# Altium PCB netv2mvp-dvt1a.PCBDOC (part 4 of 6)
Units mm, origin at the board's own origin, x right, y up, seen from the top; angles counter-clockwise.
Board outline 90 x 100 mm, 6 copper layers (L1, L2, L3, L4, L5, L6), stack 1.542 mm thick; 329 components, 277 nets, 2092 pads, 848 vias.
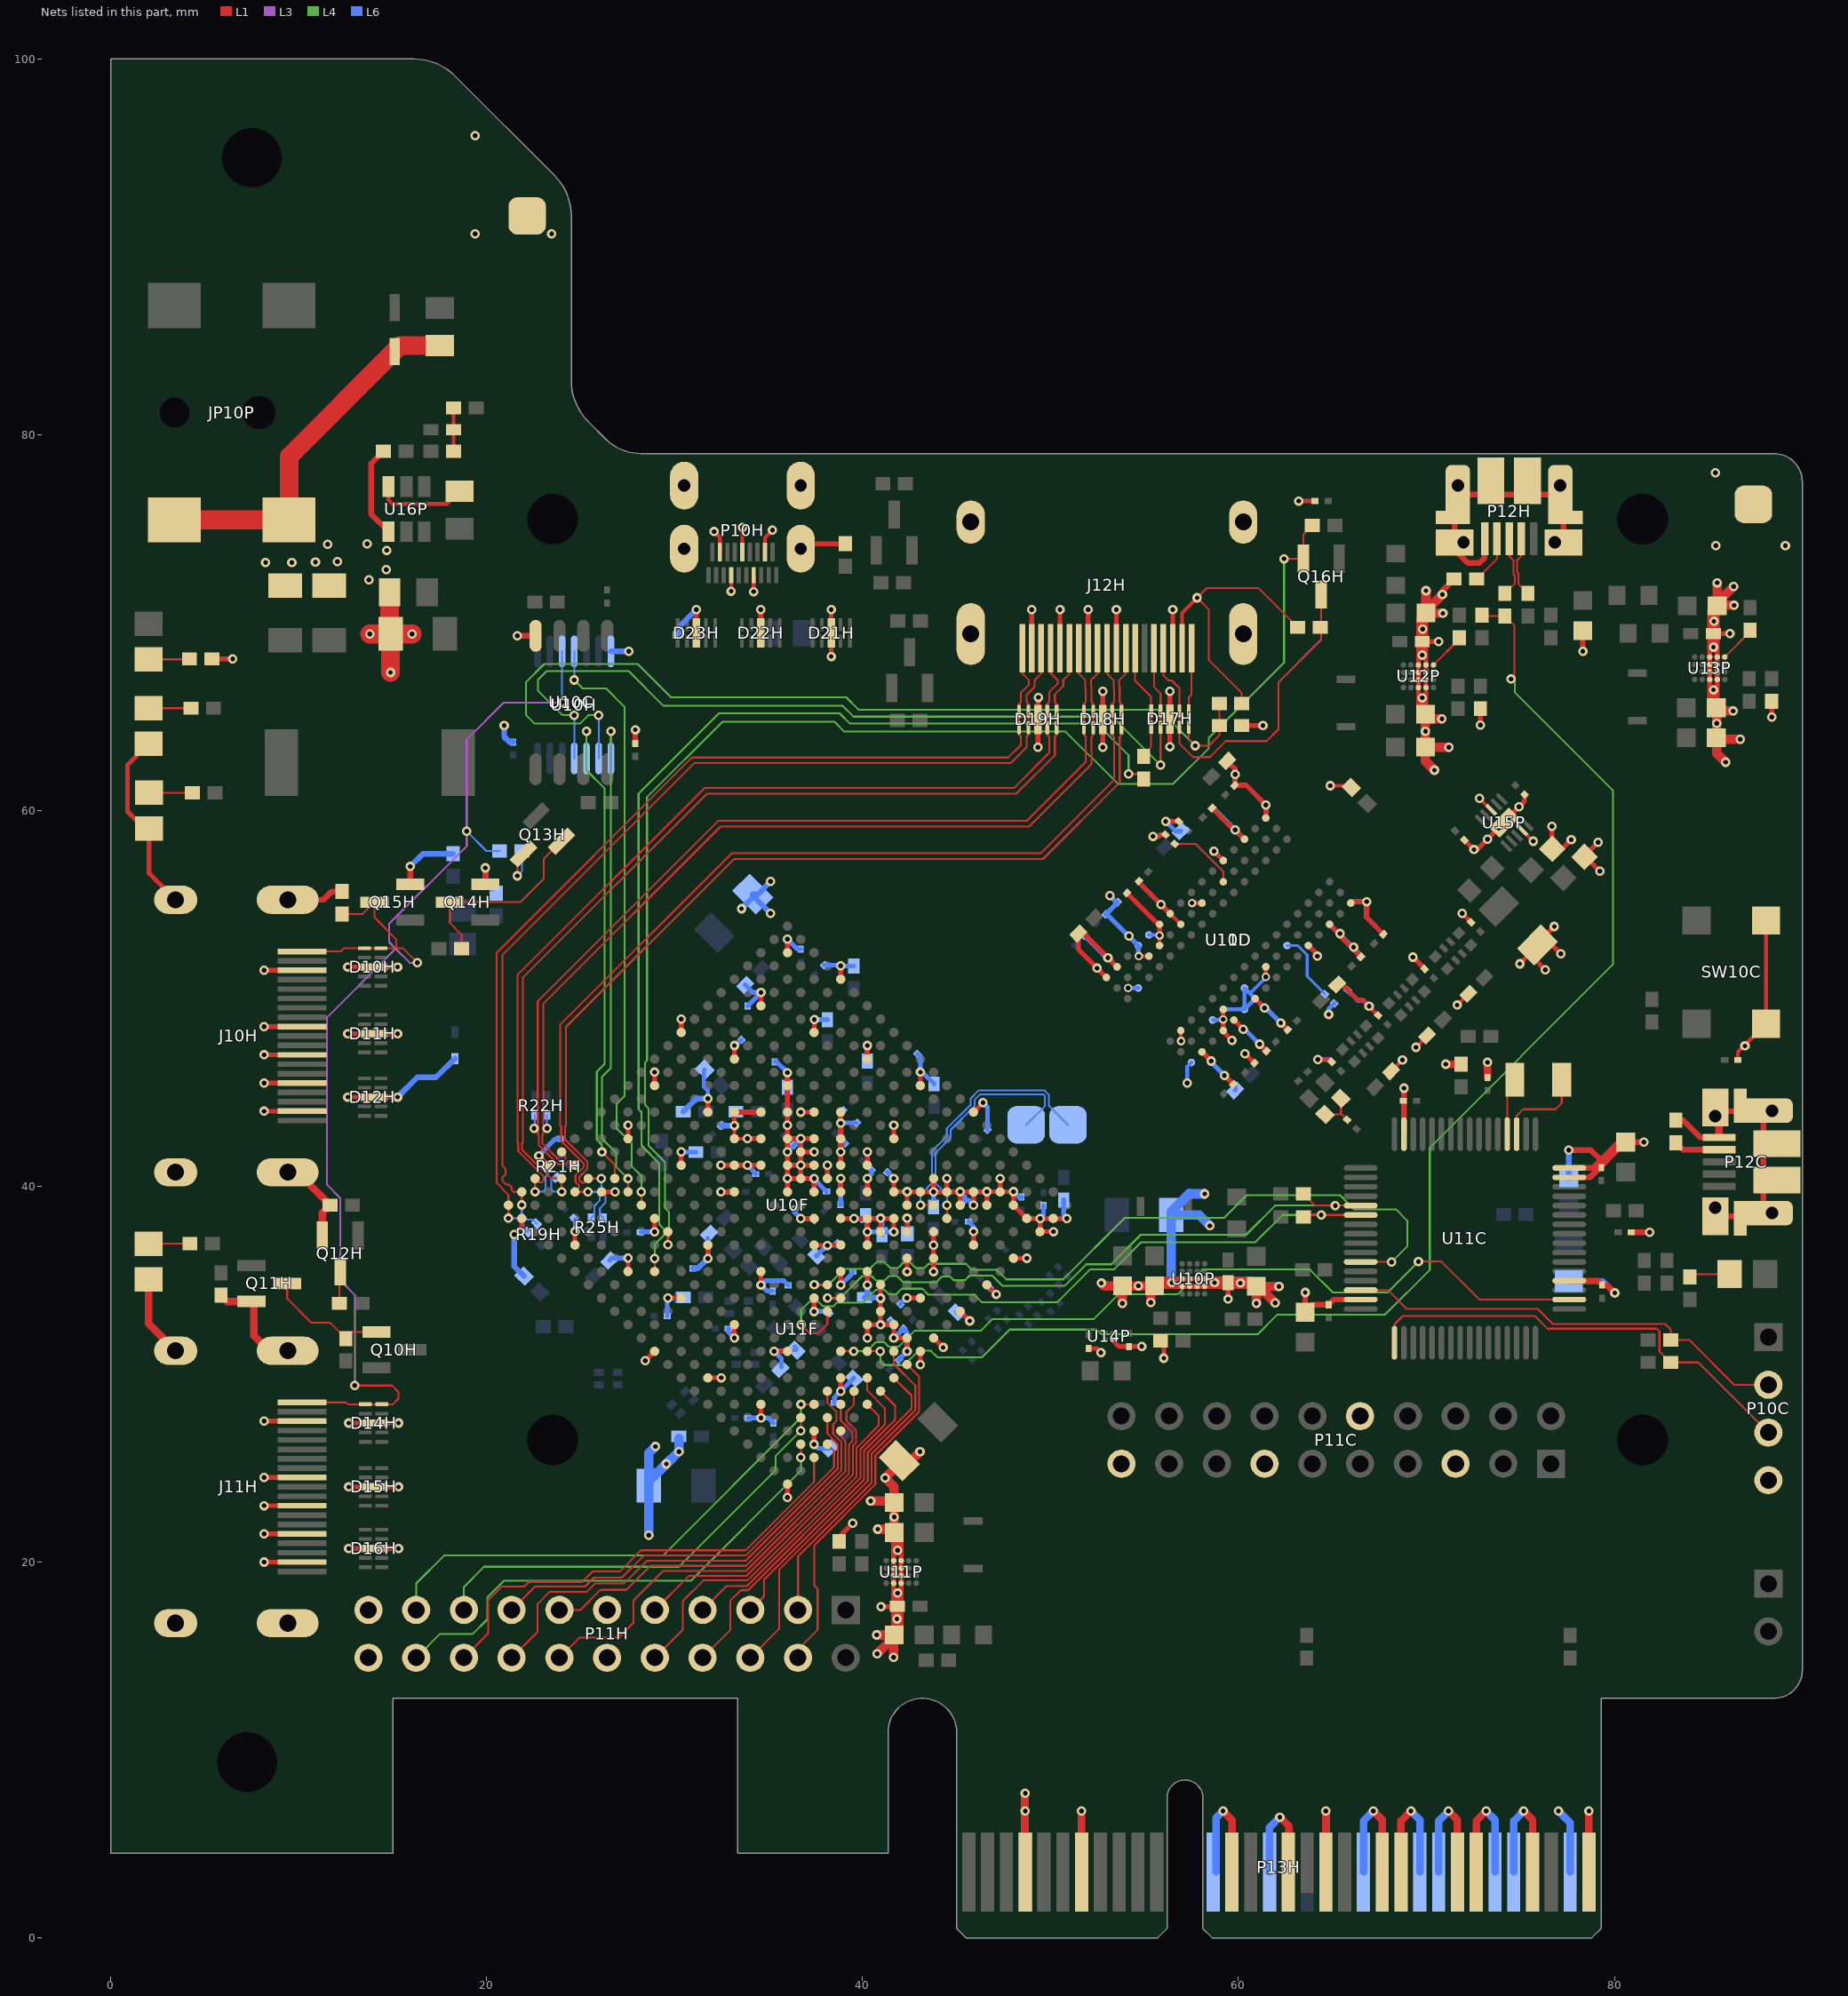
[diagram p8: the nets of this part, all layers, seen from the top]

## Via types
v1: diameter 0.5, hole 0.25, L1 to L6, tented both sides, 789 vias
v2: diameter 0.45, hole 0.25, L1 to L6, tented both sides, 57 vias
v3: diameter 0.5, hole 0.25, L1 to L6, tented top, 2 vias

## Nets (pads, with @x,y where several pads share a name; then routed paths per layer and width w, separated by ;. In a path a pad name is that pad's centre, name@x,y a point inside that pad or via, vN(x,y) a via of type N, cw(c..) or ccw(c..) an arc to the next point about the centre after c; other vN are vias at no path point) (continued)
FUSB_P: R24H.2 R30H.1 U10F.C14 | length 75.6
  L1 w0.1: U10F.C14@40.243,31.222 v1(40.939,31.222) ; R24H.2@73,70.35 R30H.1@74.175,70.35 74.687,69.838 74.687,67.187 v1(74.5,67)
  L4 w0.1: v1(40.939,31.222) 40.939,30.656 41.11,30.485 42.201,30.485 42.966,31.25 43.633,31.25 43.983,30.9 46.35,30.9 47.825,32.375 52.458,32.375 52.708,32.125 61.025,32.125 62.075,33.175 67.8,33.175 70.175,35.55 70.175,42.05 79.925,51.8 79.925,61.075 74.7,66.3 v1@74.7,67
FUSBD_N: P12H.2 R28H.2 | length 3.3
  L1 w0.1: P12H.2@75.05,74.475 75.05,73.55 74.825,73.325 74.825,72.675 74.9,72.6 74.9,72.05 R28H.2@75.4,71.55
FUSBD_P: P12H.3 R30H.2 | length 3.3
  L1 w0.1: R30H.2@74.175,71.55 74.7,72.075 74.7,72.517 74.625,72.592 74.625,73.325 74.4,73.55 P12H.3@74.4,74.475
GND: C10C.2 C10D.1 C10F.2 C10H.2 C10P.2 C11C.2 C11D.2 C11F.2 C11H.2 C11P.2 C12C.2 C12D.2 C12F.2 C12H.2 C12P.2 C13C.2 C13D.2 C13F.2 C13P.2 C14D.2 C14F.2 C14P.2 C15D.2 C15F.2 C15P.2 C16C.2 C16D.2 C16F.2 C16P.2 C17C.2 C17D.2 C17F.2 C17P.2 C18C.2 C18D.2 C18F.2 C18P.2 C19C.2 C19D.2 C19F.2 C19P.2 C20C.2 C20D.2 C20P.2 C21C.2 C21D.2 C21P.2 C22C.2 C22D.2 C22P.2 C23C.2 C23D.2 C23P.2 C24D.2 C24P.2 C25D.2 C25P.2 C26D.2 C26F.2 C26P.2 C27D.1 C27P.2 C28D.2 C28F.2 C29D.1 C29F.2 C29P.2 C30D.1 C30F.2 C30P.2 C31D.2 C31F.2 C31P.2 C32D.2 C32F.2 C32P.1 C33D.1 C33F.2 C33P.2 C34D.1 C34F.2 C34P.1 C35D.1 C35F.2 C35P.1 C36D.2 C37D.2 C37P.2 C38D.2 C38F.2 C38P.2 C39D.2 C39F.2 C40D.2 C41D.2 C41F.2 C42D.1 C42F.2 C43D.1 C43F.2 C44D.2 C44F.2 C45D.2 C45F.2 C46D.2 C46F.2 C47D.2 C47F.2 C48D.2 C48F.2 C49D.1 C49F.2 C50F.2 C51F.2 C52F.2 C53F.2 C54F.2 C55F.2 C56F.2 C57F.2 C58F.2 C59F.2 C60F.2 C61F.2 C62F.2 C63F.2 C64F.2 C65F.2 C66F.2 C67F.2 C68F.2 C69F.2 C70F.2 C71F.2 C72F.2 C73F.2 C74F.2 C75F.2 C76F.2 C77F.2 C78F.2 C79F.2 C80F.2 C81F.2 C82F.2 C83F.2 C84F.2 C85F.2 C86F.2 C87F.2 C88F.2 C89F.2 D10F.2 D10H.3 D10P.2 D11F.2 D11H.3 D12F.2 D12H.3 D13H.2 D14H.3 D15H.3 D16H.3 D17H.3 D18H.3 D19H.3 D20H.2 D21H.3 D22H.3 D23H.3 J10H.0 J10H.2 J10H.5 J10H.8 J10H.11 J10H.17 J11H.0 J11H.2 J11H.5 J11H.8 J11H.11 J11H.17 J12H.0 J12H.2 J12H.5 J12H.8 J12H.11 J12H.17 JP10P.2 JP10P.3 P10C.4 P10H.0 P10H.4 P10H.7 P10H.10 P10H.13 P10H.16 P11C.5 P11C.10 P11C.13 P11C.19 P11H.11 P11H.12 P11H.21 P11H.22 P12C.0 P12C.5 P12H.0 P12H.5 P13H.A4 P13H.A12 P13H.A15 P13H.A18 P13H.A20 P13H.A23 P13H.A24 P13H.A27 P13H.A28 P13H.A31 P13H.B4 P13H.B7 P13H.B13 P13H.B16 P13H.B18 P13H.B21 P13H.B22 P13H.B25 P13H.B26 P13H.B29 P13H.B32 Q11H.2 Q12H.2 Q14H.2 Q15H.2 R10D.1 R10F.2 R10H.1 R11D.1 R13C.2 R14D.1 R15F.1 R16P.2 R17H.2 R17P.2 R18C.2 R20H.2 R25P.2 R26P.2 R31H.2 R31P.1 R32P.1 R33H.2 R34H.2 R39H.2 R40H.1 SW10C.1 SW10C.2 TP11H.1 TP13H.1 U10C.4 U10D.A9 U10D.B1 U10D.B3 U10D.B9 U10D.D1 U10D.D8 U10D.E1 U10D.E2 U10D.E8 U10D.F9 U10D.G1 U10D.G8 U10D.G9 U10D.J2 U10D.J8 U10D.M1 U10D.M9 U10D.P1 U10D.P9 U10D.T1 U10D.T9 U10F.A2 U10F.A3 U10F.A5 U10F.A7 U10F.A9 U10F.A11 U10F.A12 U10F.A22 U10F.AA2 U10F.AA12 U10F.AA22 U10F.AB9 U10F.AB19 U10F.B3 U10F.B12 U10F.B19 U10F.C3 U10F.C6 U10F.C10 U10F.C12 U10F.C16 U10F.D3 U10F.D4 U10F.D8 U10F.D12 U10F.D13 U10F.E4 U10F.E5 U10F.E7 U10F.E9 U10F.E11 U10F.E20 U10F.F5 U10F.F11 U10F.F17 U10F.G5 U10F.G6 U10F.G7 U10F.G8 U10F.G9 U10F.G10 U10F.G12 U10F.G14 U10F.H1 U10F.H7 U10F.H9 U10F.H11 U10F.H21 U10F.J8 U10F.J10 U10F.J12 U10F.J18 U10F.K5 U10F.K7 U10F.K9 U10F.K11 U10F.K15 U10F.L2 U10F.L8 U10F.L9 U10F.L10 U10F.L22 U10F.M7 U10F.M9 U10F.M10 U10F.M11 U10F.M19 U10F.N6 U10F.N8 U10F.N9 U10F.N10 U10F.N16 U10F.P3 U10F.P7 U10F.P9 U10F.P11 U10F.P13 U10F.R8 U10F.R10 U10F.R12 U10F.R20 U10F.T7 U10F.T9 U10F.T11 U10F.T17 U10F.U4 U10F.U10 U10F.U14 U10F.V1 U10F.V11 U10F.V21 U10F.W8 U10F.W18 U10F.Y5 U10F.Y15 U10H.7 U10P.B1 U10P.B2 U10P.B3 U10P.B4 U10P.C1 U10P.C2 U10P.C3 U10P.C4 U11C.4 U11C.15 U11C.16 U11C.31 U11C.47 U11D.A9 U11D.B1 U11D.B3 U11D.B9 U11D.D1 U11D.D8 U11D.E1 U11D.E2 U11D.E8 U11D.F9 U11D.G1 U11D.G8 U11D.G9 U11D.J2 U11D.J8 U11D.M1 U11D.M9 U11D.P1 U11D.P9 U11D.T1 U11D.T9 U11F.2 U11P.B1 U11P.B2 U11P.B3 U11P.B4 U11P.C1 U11P.C2 U11P.C3 U11P.C4 U12P.B1 U12P.B2 U12P.B3 U12P.B4 U12P.C1 U12P.C2 U12P.C3 U12P.C4 U13P.B1 U13P.B2 U13P.B3 U13P.B4 U13P.C1 U13P.C2 U13P.C3 U13P.C4 U14P.B2 U15P.4 U15P.8 U15P.11 U16P.1 | length 667.7
  L1 w0.18: v1(72.819,60.656) U15P.8@73.325,60.15 ; U15P.4@75.175,58.875 v1(75.681,58.369)
  L1 w0.2: v1(32.1,74.85) 32.4,74.55 P10H.4@32.4,73.75 ; v1(33,71.675) P10H.7@33,72.525 ; v1(33.172,43.235) U10F.T11@33.172,42.536 v1(33.871,42.536) ; P10H.10@33.6,73.75 v1(33.6,75.075) ; v1(34.2,71.65) P10H.13@34.2,72.525 ; P10H.16@34.8,73.75 34.8,74.525 v1(35.2,74.925) ; v2(54.693,52.25) U11D.D8@55.23,52.25 ; U11D.E8@55.796,52.816 v2(55.796,53.353) ; U11D.G9@56.362,54.513 U11D.G8@56.927,53.947 ; U11D.B3@56.927,48.29 v2@56.948,47.731 ; v2(57.522,55.078) U11D.J8@58.059,55.078 ; v2(59.19,48.884) U11D.E2@59.19,49.421 ; v2(61.453,51.147) U11D.J2@61.453,51.684 ; v1(64.225,46.75) C35D.1@64.9,46.75 ; v1(64.878,61.325) R11D.1@65.975,61.325 ; v1(66.951,49.581) C27D.1@67.428,49.103 ; C20D.2@68.124,46.124 v1(68.725,46.725) ; v1(69.45,47.4) 70.03,47.98 C26D.2@70.03,48.022 ; v1(71.634,49.65) C28D.2@72.23,50.247 ; v1(71.9,54.53) C34D.1@72.378,54.053 ; C16C.2@86.575,46.725 86.575,47.15 SW10C.1@88.075,48.65 SW10C.2@88.075,54.15
  L1 w0.25: D11F.2@2,63.55 0.875,62.425 0.875,59.95 1.775,59.05 D12F.2@2.025,59.05 2.025,56.665 J10H.0@3.44,55.25 ; R32P.1@5.375,68.075 v1(6.475,68.075) ; v1(8.15,20) J11H.2@10.16,20 ; v1(8.15,21.5) J11H.5@10.16,21.5 ; v1(8.15,23) J11H.8@10.16,23 ; v1(8.15,24.5) J11H.11@10.16,24.5 ; v1(8.15,27.5) J11H.17@10.16,27.5 ; v1(8.15,44) J10H.2@10.16,44 ; v1(8.15,45.5) J10H.5@10.16,45.5 ; v1(8.15,47) J10H.8@10.16,47 ; v1(8.15,48.5) J10H.11@10.16,48.5 ; v1(8.15,51.5) J10H.17@10.16,51.5 ; v1(12.6,44.75) D12H.3@13.925,44.75 v1(15.25,44.75) ; v1(12.6,48.125) D11H.3@13.925,48.125 v1(15.25,48.125) ; v1(12.6,51.675) D10H.3@13.925,51.675 v1(15.25,51.675) ; v1(12.65,20.725) D16H.3@13.975,20.725 v1(15.3,20.725) ; v1(12.65,24) D15H.3@13.975,24 v1(15.3,24) ; v1(12.65,27.4) D14H.3@13.975,27.4 v1(15.3,27.4) ; v1(21.46,37.44) 21.858,37.838 U10F.AA22@21.858,38.293 ; v1(22.767,41.627) U10F.AB19@23.272,41.121 ; U10F.V21@24.686,36.879 v1(24.686,37.594) ; U10F.W18@26.101,39.707 v1(26.815,39.707) ; U10F.R20@27.515,35.464 v1(27.515,36.179) ; U10F.Y15@27.515,42.536 v1(27.515,43.251) ; v1(28.423,30.716) U10F.L22@28.929,31.222 ; v1(28.929,37.578) U10F.T17@28.929,38.293 ; U10F.AA12@28.929,45.364 v1(28.929,46.079) ; v1(29.628,34.05) U10F.M19@30.343,34.05 ; U10F.U14@30.343,41.121 v1(30.343,41.836) ; U10F.AB9@30.343,48.192 v1(30.343,48.907) ; D23H.3@31.15,69.45 v1(31.15,70.7) ; U10F.H21@31.757,29.808 v1(32.472,29.808) ; v1(31.757,36.164) U10F.N16@31.757,36.879 ; U10F.V11@31.757,43.95 v1(31.757,44.665) ; v1(32.457,39.707) U10F.P13@33.172,39.707 ; v1(32.457,41.121) U10F.R12@33.172,41.121 v1(33.871,41.121) U10F.P11@34.586,41.121 ; v1(33.172,31.921) U10F.J18@33.172,32.636 ; v1(33.172,43.235) U10F.U10@33.172,43.95 ; U10F.W8@33.172,46.778 v1(33.172,47.493) ; v1(33.871,42.536) U10F.R10@34.586,42.536 ; D22H.3@34.575,69.45 v1(34.575,70.7) ; v1(34.586,27.678) U10F.E20@34.586,28.393 ; v1(34.586,34.749) U10F.K15@34.586,35.464 ; U10F.Y5@34.586,49.607 v1(34.586,50.322) ; v1(35.285,31.222) U10F.F17@36,31.222 ; v1(36,23.436) U10F.A22@36,24.151 ; U10F.M11@36,39.707 v1(36,40.422) ; v1@36,46.079 v1(36,46.05) U10F.T7@36,45.364 U10F.R8@36,43.95 v1(36,43.251) U10F.P9@36,42.536 ; U10F.AA2@36,52.435 v1(36,53.15) ; v1(36.699,38.293) U10F.K11@37.414,38.293 ; v1(36.699,43.95) U10F.P7@37.414,43.95 ; P10H.0@36.96,74.2 R40H.1@39.075,74.2 ; v1(37.414,26.264) U10F.B19@37.414,26.979 ; v1(37.414,33.335) U10F.G14@37.414,34.05 ; U10F.J12@37.414,36.879 37.441,36.852 v1(38.127,36.852) 38.127,36.876 38.129,36.879 U10F.H11@38.828,36.879 ; U10F.L10@37.414,39.707 v1@37.414,40.406 ; U10F.M9@37.414,41.121 v1@36.707,41.121 ; U10F.N8@37.414,42.536 v1(36.699,42.536) ; U10F.U4@37.414,48.192 37.427,48.205 v1(37.427,48.877) ; v1(37.422,40.414) U10F.M10@36.707,40.414 ; v1(37.422,41.828) U10F.N9@36.707,41.828 ; U10F.L9@38.121,40.414 v1(38.121,41.129) ; v1(38.325,68.2) D21H.3@38.325,69.45 v1(38.325,70.7) ; R17P.2@38.75,21.225 38.75,21.35 v1(39.475,22.075) ; v1(38.825,43.36) U10F.N6@38.825,44.075 ; v1(38.828,29.093) U10F.C16@38.828,29.808 ; v1(38.828,34.749) U10F.G12@38.828,35.464 ; U10F.J10@38.828,38.293 v1(39.543,38.293) U10F.H9@40.243,38.293 ; U10F.K9@38.828,39.707 v1(38.828,40.422) ; U10F.L8@38.828,41.121 v1(38.828,41.836) ; U10F.V1@38.828,51.021 v1(38.828,51.736) ; v1(40.243,31.921) U10F.D13@40.243,32.636 v1@40.95,32.636 ; v1(40.243,34.749) U10F.F11@40.243,35.464 ; U10F.G10@40.243,36.879 v1@40.243,37.594 ; v1(40.243,37.578) U10F.H9@40.243,38.293 ; U10F.J8@40.243,39.707 v1(40.243,40.422) ; U10F.K7@40.243,41.121 v1(40.243,41.836) ; U10F.P3@40.243,46.778 v1(40.243,47.493) ; v1(40.95,32.628) v1@40.95,32.636 ; U10F.E11@40.95,34.757 v1(40.95,34.042) U10F.D12@40.95,33.343 v1@40.95,32.636 ; U10F.G9@40.95,37.586 v1@40.95,38.293 ; v1(40.95,38.301) v1@40.95,38.293 ; v1(40.975,17.625) C13P.2@41.65,17.625 ; C12P.2@41.65,16.125 C12P.2@41.95,16.425 ; C12P.2@41.65,16.325 C13P.2@41.65,17.625 ; v1(41.657,37.578) U10F.G8@41.657,38.293 v1@40.95,38.293 ; v1(41.657,40.422) U10F.H7@41.657,39.707 41.665,39.715 v1(42.364,39.715) U10F.G7@42.364,39 ; U10F.K5@41.657,42.536 v1(41.657,43.251) ; C12P.2@41.85,16.525 C12P.2@41.95,16.425 ; 41.85,16.725 C13P.2@41.85,17.625 ; C12P.2@42.05,16.35 v1@42.05,18.45 ; C12P.2@42.05,16.525 C12P.2@41.95,16.425 ; v1(42.356,34.05) U10F.C10@43.071,34.05 ; v1(42.364,31.214) U10F.B12@42.364,31.929 41.665,31.929 v1(41.657,31.921) U10F.C12@41.657,32.636 v1@40.95,32.636 ; v1(42.364,35.457) U10F.E9@42.364,36.172 ; v1@42.372,39.707 U10F.G6@43.071,39.707 v1@43.778,39.707 ; v1(43.071,30.507) U10F.A12@43.071,31.222 ; U10F.L2@43.071,45.364 v1(43.071,46.079) ; U10F.A11@43.778,31.929 v1(44.284,31.423) ; v1(43.778,35.457) U10F.D8@43.778,36.172 v1(43.778,36.871) U10F.E7@43.778,37.586 ; v1(43.778,39.699) v1@43.778,39.707 ; U10F.G5@43.778,40.414 v1@43.778,39.707 ; v1(44.485,40.422) U10F.F5@44.485,39.707 ; U10F.A9@45.192,33.343 v1(45.698,32.838) ; U10F.E5@45.192,39 v1@45.192,39.707 ; v1(45.192,39.715) v1@45.192,39.707 ; U10F.C6@45.899,36.879 v1(45.899,37.594) ; v1(45.899,38.992) U10F.E4@45.899,39.707 ; U10F.H1@45.899,43.95 v1(46.405,44.455) ; v1@46.599,39.707 U10F.E4@45.899,39.707 ; U10F.A7@46.607,34.757 v1(47.112,34.252) ; U10F.D4@46.607,39 v1(46.607,39.715) U10F.D3@47.314,39.715 ; U10F.D3@47.314,39.707 U10F.D3@47.314,39.715 ; v1(47.314,40.422) U10F.D3@47.314,39.715 ; U10F.A5@48.021,36.172 v1(48.736,36.172) ; J12H.2@49,68.64 v1(49,70.7) ; v1(49.325,63.375) D19H.3@49.325,64.85 v1@49.325,65.925 ; U10F.A3@49.435,37.586 v1(50.15,37.586) ; U10F.A3@49.443,37.594 v1(49.443,38.293) ; J12H.5@50.5,68.64 v1(50.5,70.7) ; v1(50.857,38.293) U10F.A2@50.142,38.293 v1(49.443,38.293) ; J12H.8@52,68.64 v1(52,70.7) ; C26P.2@52.025,31.375 52.45,31.375 v1(52.675,31.15) ; v1(52.775,63.375) D18H.3@52.775,64.85 v1(52.775,66.35) ; U14P.B2@53.275,31.85 53.65,31.475 C27P.2@54.175,31.475 v1(54.85,31.475) ; J12H.11@53.5,68.64 v1(53.5,70.7) ; R16P.2@55.85,32 56.025,31.825 v1(56.025,30.85) ; v1(56.35,63.4) D17H.3@56.35,64.875 v1(56.35,66.35) ; J12H.17@56.5,68.64 v1(56.5,70.7) ; v2@59.19,48.842 U11D.D1@59.19,48.29 59.19,48.219 v1(59.65,47.759) ; v1(59.45,34) C11P.2@59.45,34.675 ; R33H.2@60.175,64.525 v1(61.3,64.525) ; 60.35,34.875 C11P.2@59.45,34.875 ; v1(60.35,47.059) C17D.2@60.852,46.558 ; C10P.2@60.55,34.875 C10P.2@60.65,34.975 ; C10P.2@60.55,35.075 C10P.2@60.65,34.975 ; C10P.2@60.725,35.075 v1@58.625,35.075 ; C10P.2@60.75,34.675 C11P.2@59.45,34.675 ; C10P.2@60.95,34.675 C10P.2@60.65,34.975 ; v1(61.119,47.564) C23D.2@61.488,47.194 ; v1(62.25,48.695) C12D.2@62.62,48.325 ; v1(63.2,76.475) C12H.2@64.075,76.475 ; C18P.2@69.575,70.1 C18P.2@69.675,70.2 ; C18P.2@69.575,70.275 v1@69.575,68.175 ; 69.775,69.9 C19P.2@69.775,69 ; C18P.2@69.775,70.1 C18P.2@69.675,70.2 ; C18P.2@69.975,70.3 C19P.2@69.975,69 ; C18P.2@69.975,70.5 C18P.2@69.675,70.2 ; v1(70.65,69) C19P.2@69.975,69 ; C37P.2@72.022,58.428 v1(72.528,57.922) 72.697,57.922 v1(73.244,58.469) U15P.11@73.75,58.975 ; v1(72.875,64.55) R25P.2@72.875,65.4 ; U15P.11@74.425,59.7 v1(74.931,60.206) 75.222,60.497 C31P.2@75.222,60.853 ; v1(74.969,51.844) C13D.2@75.475,52.35 ; C13D.2@75.825,52.025 v1(76.331,51.519) ; C13D.2@76.3,53.325 v1(76.806,53.831) ; C13D.2@76.65,52.875 v1(77.156,52.369) ; C29P.2@76.675,58.45 v1(76.675,59.165) ; C29P.2@77.2,57.95 v1(77.706,58.456) ; C30P.2@78.625,57.8 v1(79.131,58.306) ; C30P.2@78.725,57.275 v1(79.231,56.769) ; C20P.2@85.075,70.525 C20P.2@85.175,70.625 ; C20P.2@85.075,70.7 v1@85.075,68.6 ; 85.275,70.325 C21P.2@85.275,69.425 ; C20P.2@85.275,70.525 C20P.2@85.175,70.625 ; C20P.2@85.475,70.725 C21P.2@85.475,69.425 ; C20P.2@85.475,70.925 C20P.2@85.175,70.625 ; v1(86.15,69.425) C21P.2@85.475,69.425 ; v1(88.375,64.975) R26P.2@88.375,65.825 ; v1(36,40.422) U10F.N10@36,41.121 ; v1(36,40.422) 36.008,40.414 U10F.M10@36.707,40.414 ; U10F.N10@36,41.121 v1(36,41.836) U10F.P9@36,42.536 ; U10F.N10@36,41.121 v1(36.699,41.121) v1@36.707,41.121 ; U10F.P9@36,42.536 v1(36.699,42.536) ; v1(36.699,42.536) 36.707,42.528 U10F.N9@36.707,41.828 ; U10F.M10@36.707,40.414 v1@36.707,41.121 ; v1@36.707,41.121 U10F.N9@36.707,41.828 ; U10F.H9@40.243,38.293 v1@40.95,38.293 ; C13P.2@41.65,17.625 C13P.2@41.85,17.625 ; C13P.2@41.65,17.625 v1@41.65,18.475 ; v1@41.65,18.475 v1@42.05,18.475 ; v1@41.65,18.475 U11P.B2@41.65,19.275 U11P.B4@41.65,20.075 v1@41.65,20.5 ; v1@41.65,20.5 v1@41.85,20.5 ; v1@41.65,20.5 41.65,21.525 41.675,21.55 C17P.2@41.85,21.375 ; C13P.2@41.85,17.625 41.825,17.65 41.825,18.45 v1@42.05,18.45 ; v1@41.85,20.5 C17P.2@41.85,21.375 ; v1@41.85,20.5 42.025,20.5 42.05,20.475 ; C17P.2@41.85,21.375 42.05,21.175 42.05,20.475 ; v1@42.05,18.45 v1@42.05,18.475 ; v1@42.05,18.475 42.05,20.475 ; v1@43.778,39.707 U10F.F5@44.485,39.707 ; U10F.F5@44.485,39.707 v1@45.192,39.707 ; v1@45.192,39.707 U10F.E4@45.899,39.707 ; U10F.D3@47.314,39.715 v1(48.021,39.715) U10F.C3@48.021,39 U10F.B3@48.728,38.293 v1(49.443,38.293) ; C15P.2@55.7,34.875 v1(56.45,34.875) v1@56.575,34.875 ; C15P.2@55.7,34.875 55.9,35.075 56.6,35.075 ; C15P.2@55.7,34.875 C15P.2@55.525,34.7 55.55,34.675 v1@56.575,34.675 ; v1@56.575,34.675 v1@56.575,34.875 ; v1@56.575,34.675 U10P.B4@57,34.675 U10P.B2@57.8,34.675 v1@58.6,34.675 ; v1@56.575,34.875 56.575,35.05 56.6,35.075 ; 56.6,35.075 U10P.C4@57,35.075 U10P.C3@57.4,35.075 U10P.C2@57.8,35.075 U10P.C1@58.2,35.075 v1@58.6,35.075 ; v1@58.6,34.675 C11P.2@59.45,34.675 ; v1@58.6,34.675 v1@58.6,35.075 ; v1@58.6,35.075 v1@58.625,35.075 ; v1@58.625,35.075 58.625,34.85 59.425,34.85 C11P.2@59.45,34.875 ; C11P.2@59.45,34.675 C11P.2@59.45,34.875 ; 69.575,66.15 69.6,66.125 v1@69.775,66.125 ; 69.575,66.15 69.575,65.45 C23P.2@69.775,65.25 ; 69.575,66.15 U12P.C4@69.575,66.55 U12P.C3@69.575,66.95 U12P.C2@69.575,67.35 v1@69.575,68.15 ; v1@69.575,68.15 v1@69.575,68.175 ; v1@69.575,68.15 v1@69.975,68.15 ; v1@69.575,68.175 69.8,68.175 69.8,68.975 C19P.2@69.775,69 ; C23P.2@69.775,65.25 69.95,65.075 69.975,65.1 v1@69.975,66.125 ; C23P.2@69.775,65.25 v1@69.775,66.125 ; v1@69.775,66.125 v1@69.975,66.125 ; C19P.2@69.775,69 C19P.2@69.975,69 ; v1@69.975,66.125 U12P.B4@69.975,66.55 U12P.B2@69.975,67.35 v1@69.975,68.15 ; v1@69.975,68.15 C19P.2@69.975,69 ; 85.075,66.575 v1@85.075,68.575 ; 85.075,66.575 85.1,66.55 v1@85.275,66.55 ; 85.075,66.575 85.075,65.875 C24P.2@85.275,65.675 ; v1@85.075,68.575 v1@85.075,68.6 ; v1@85.075,68.575 v1@85.475,68.575 ; v1@85.075,68.6 85.3,68.6 85.3,69.4 C21P.2@85.275,69.425 ; C24P.2@85.275,65.675 85.45,65.5 85.475,65.525 v1@85.475,66.55 ; C24P.2@85.275,65.675 v1@85.275,66.55 ; v1@85.275,66.55 v1@85.475,66.55 ; C21P.2@85.275,69.425 C21P.2@85.475,69.425 ; v1@85.475,66.55 U13P.B4@85.475,66.975 U13P.B2@85.475,67.775 v1@85.475,68.575 ; v1@85.475,68.575 C21P.2@85.475,69.425
  L1 w0.254: C37D.2@51.483,53.452 51.483,52.603 v1(52.475,51.611) ; C37D.2@51.765,53.452 v1(53.05,52.167) U11D.B9@53.533,51.684 ; v1@52.549,51.684 v1(52.475,51.611) ; U11D.A9@52.968,51.119 v1(52.475,51.611) ; C25D.2@54.064,55.609 55.725,53.947 U11D.F9@55.796,53.947 v2(55.796,53.353) ; C18D.2@54.7,56.245 54.7,56.174 v1(55.869,55.005) U11D.G9@56.362,54.513 ; v1(55.45,58.625) 55.75,58.625 55.845,58.72 R14D.1@56.114,58.72 ; v1(56.127,59.427) C31D.2@56.821,59.427 ; U11D.B1@58.059,47.159 v1(58.551,46.666) v1@58.551,46.596 ; C16D.2@58.589,60.134 59.758,58.965 v1(59.829,58.965) U11D.P9@60.321,58.472 ; v1(58.698,57.833) U11D.M9@59.19,57.341 ; v1(59.247,45.9) C14D.2@59.72,45.426 ; C15D.2@59.402,62.644 59.791,62.255 C45D.2@59.791,61.336 60.417,61.336 v1(61.453,60.3) U11D.T9@61.453,59.604 ; U11D.E1@59.756,48.856 v1(60.248,48.363) ; U11D.G1@60.887,49.987 v1(61.379,49.495) v1@61.45,49.495 ; U11D.M1@63.716,52.816 64.2,52.331 v1(64.2,52.25) ; U11D.P1@64.847,53.947 65.344,53.45 65.375,53.45 65.375,53.42 65.339,53.384 C19D.2@66.509,52.215 ; C30D.1@65.249,50.749 65.499,50.749 66.323,49.925 66.606,49.925 v1(66.951,49.581) ; U11D.T1@65.978,55.078 66.05,55.15 v1(66.825,55.15) 66.825,54.302 C22D.2@67.711,53.417 ; v1(69.281,52.2) C29D.1@69.903,51.578
  L1 w0.3: J10H.0@9.4,55.25 11.3,55.25 11.75,55.7 R10H.1@12.3,55.7 ; R31P.1@14.5,79.125 13.85,78.475 13.85,75.77 U16P.1@14.77,74.85 ; Q15H.2@15.925,56.075 v1(15.925,57.025) ; Q14H.2@19.925,56.075 v1(19.925,56.95) ; v1(21.625,69.3) U10C.4@22.595,69.3 ; C10C.2@27.9,63.575 v1(27.9,64.3) ; U10F.U10@33.172,43.95 U10F.T9@34.586,43.95 ; v1(38.828,41.836) U10F.M7@38.828,42.536 v1@38.828,43.357 ; v1(63.55,34.35) C17C.2@63.55,33.3 63.95,33.7 C19C.2@64.8,33.7 65.075,33.975 U11C.47@66.5,33.975 ; U11C.31@68.8,42.775 v1(68.8,45.225) ; v1(70.85,71.5) 70.85,71.7 R39H.2@71.475,72.325 ; P12H.5@73.1,74.475 73.1,73.45 72.825,73.175 72.2,73.175 71.5,73.875 P12H.0@71.5,74.27 71.5,76.65 P12H.0@71.675,76.825 P12H.0@77.125,76.825 77.3,76.65 P12H.0@77.3,74.27 ; v1(77.575,41.925) 78.75,41.925 79.275,41.4 ; U11C.4@77.6,34.975 79.125,34.975 C20C.2@79.35,34.75 79.6,34.75 v1(80.025,34.325) ; U11C.15@77.6,40.475 78.7,40.475 C22C.2@80.575,42.35 ; U11C.16@77.6,40.975 78.85,40.975 79.275,41.4 ; v1(78.325,68.475) C11H.2@78.325,69.575 ; C12C.2@80.9,37.55 v1(81.875,37.55) ; v1(81.575,42.35) C22C.2@80.6,42.35 C22C.2@80.575,42.35 ; R18C.2@83.275,43.525 83.65,43.525 84.575,42.6 P12C.5@85.575,42.6 ; P12C.0@85.37,38.4 87.75,38.4 P12C.0@87.925,38.575 P12C.0@87.925,44.025 87.895,43.995 P12C.0@85.575,43.995 ; 79.275,41.4 80.225,42.35 C22C.2@80.575,42.35
  L1 w0.4: D10F.2@2,35.05 2,32.69 J11H.0@3.44,31.25 ; R17H.2@5.85,34.2 6.175,33.875 Q11H.2@7.475,33.875 ; Q11H.2@7.6,33.85 7.6,32.05 8.4,31.25 J11H.0@9.4,31.25 ; J10H.0@9.9,40.75 R20H.2@11.65,39 11.25,38.6 Q12H.2@11.25,37.375 ; P13H.B4@48.65,3.5 v1(48.65,6.75) v1(48.65,7.7) ; P13H.B7@51.65,3.5 v1(51.65,6.75) ; v1(59.175,6.75) 59.65,6.275 P13H.B13@59.65,3.5 ; v1(62.2,6.425) 62.675,5.95 P13H.B16@62.675,3.175 ; P13H.B18@64.65,3.5 v1(64.65,6.75) ; v1(67.175,6.75) 67.65,6.275 P13H.B21@67.65,3.5 ; P13H.B22@68.65,3.5 68.65,6.225 v1(69.175,6.75) ; v1(71.025,46.5) R13C.2@71.85,46.5 ; v1(71.175,6.75) 71.65,6.275 P13H.B25@71.65,3.5 ; P13H.B26@72.65,3.5 72.65,6.225 v1(73.175,6.75) ; C18C.2@73.25,45.8 v1(73.25,46.6) ; v1(75.175,6.75) 75.65,6.275 P13H.B29@75.65,3.5 ; P13H.B32@78.65,3.5 v1(78.65,6.75) ; P12C.5@85.575,42.6 P12C.0@85.575,43.995